# Altium PCB Cortes.PcbDoc (part 2 of 4)
Units mil, origin at the board's own origin, x right, y up, seen from the top; angles counter-clockwise.
Board outline 3686.1 x 4034 mil, 6 copper layers (Top Layer, GND, SL1, SL2, PWR, Bottom Layer), stack 33.672 mil thick; 267 components, 325 nets, 1122 pads, 1062 vias.
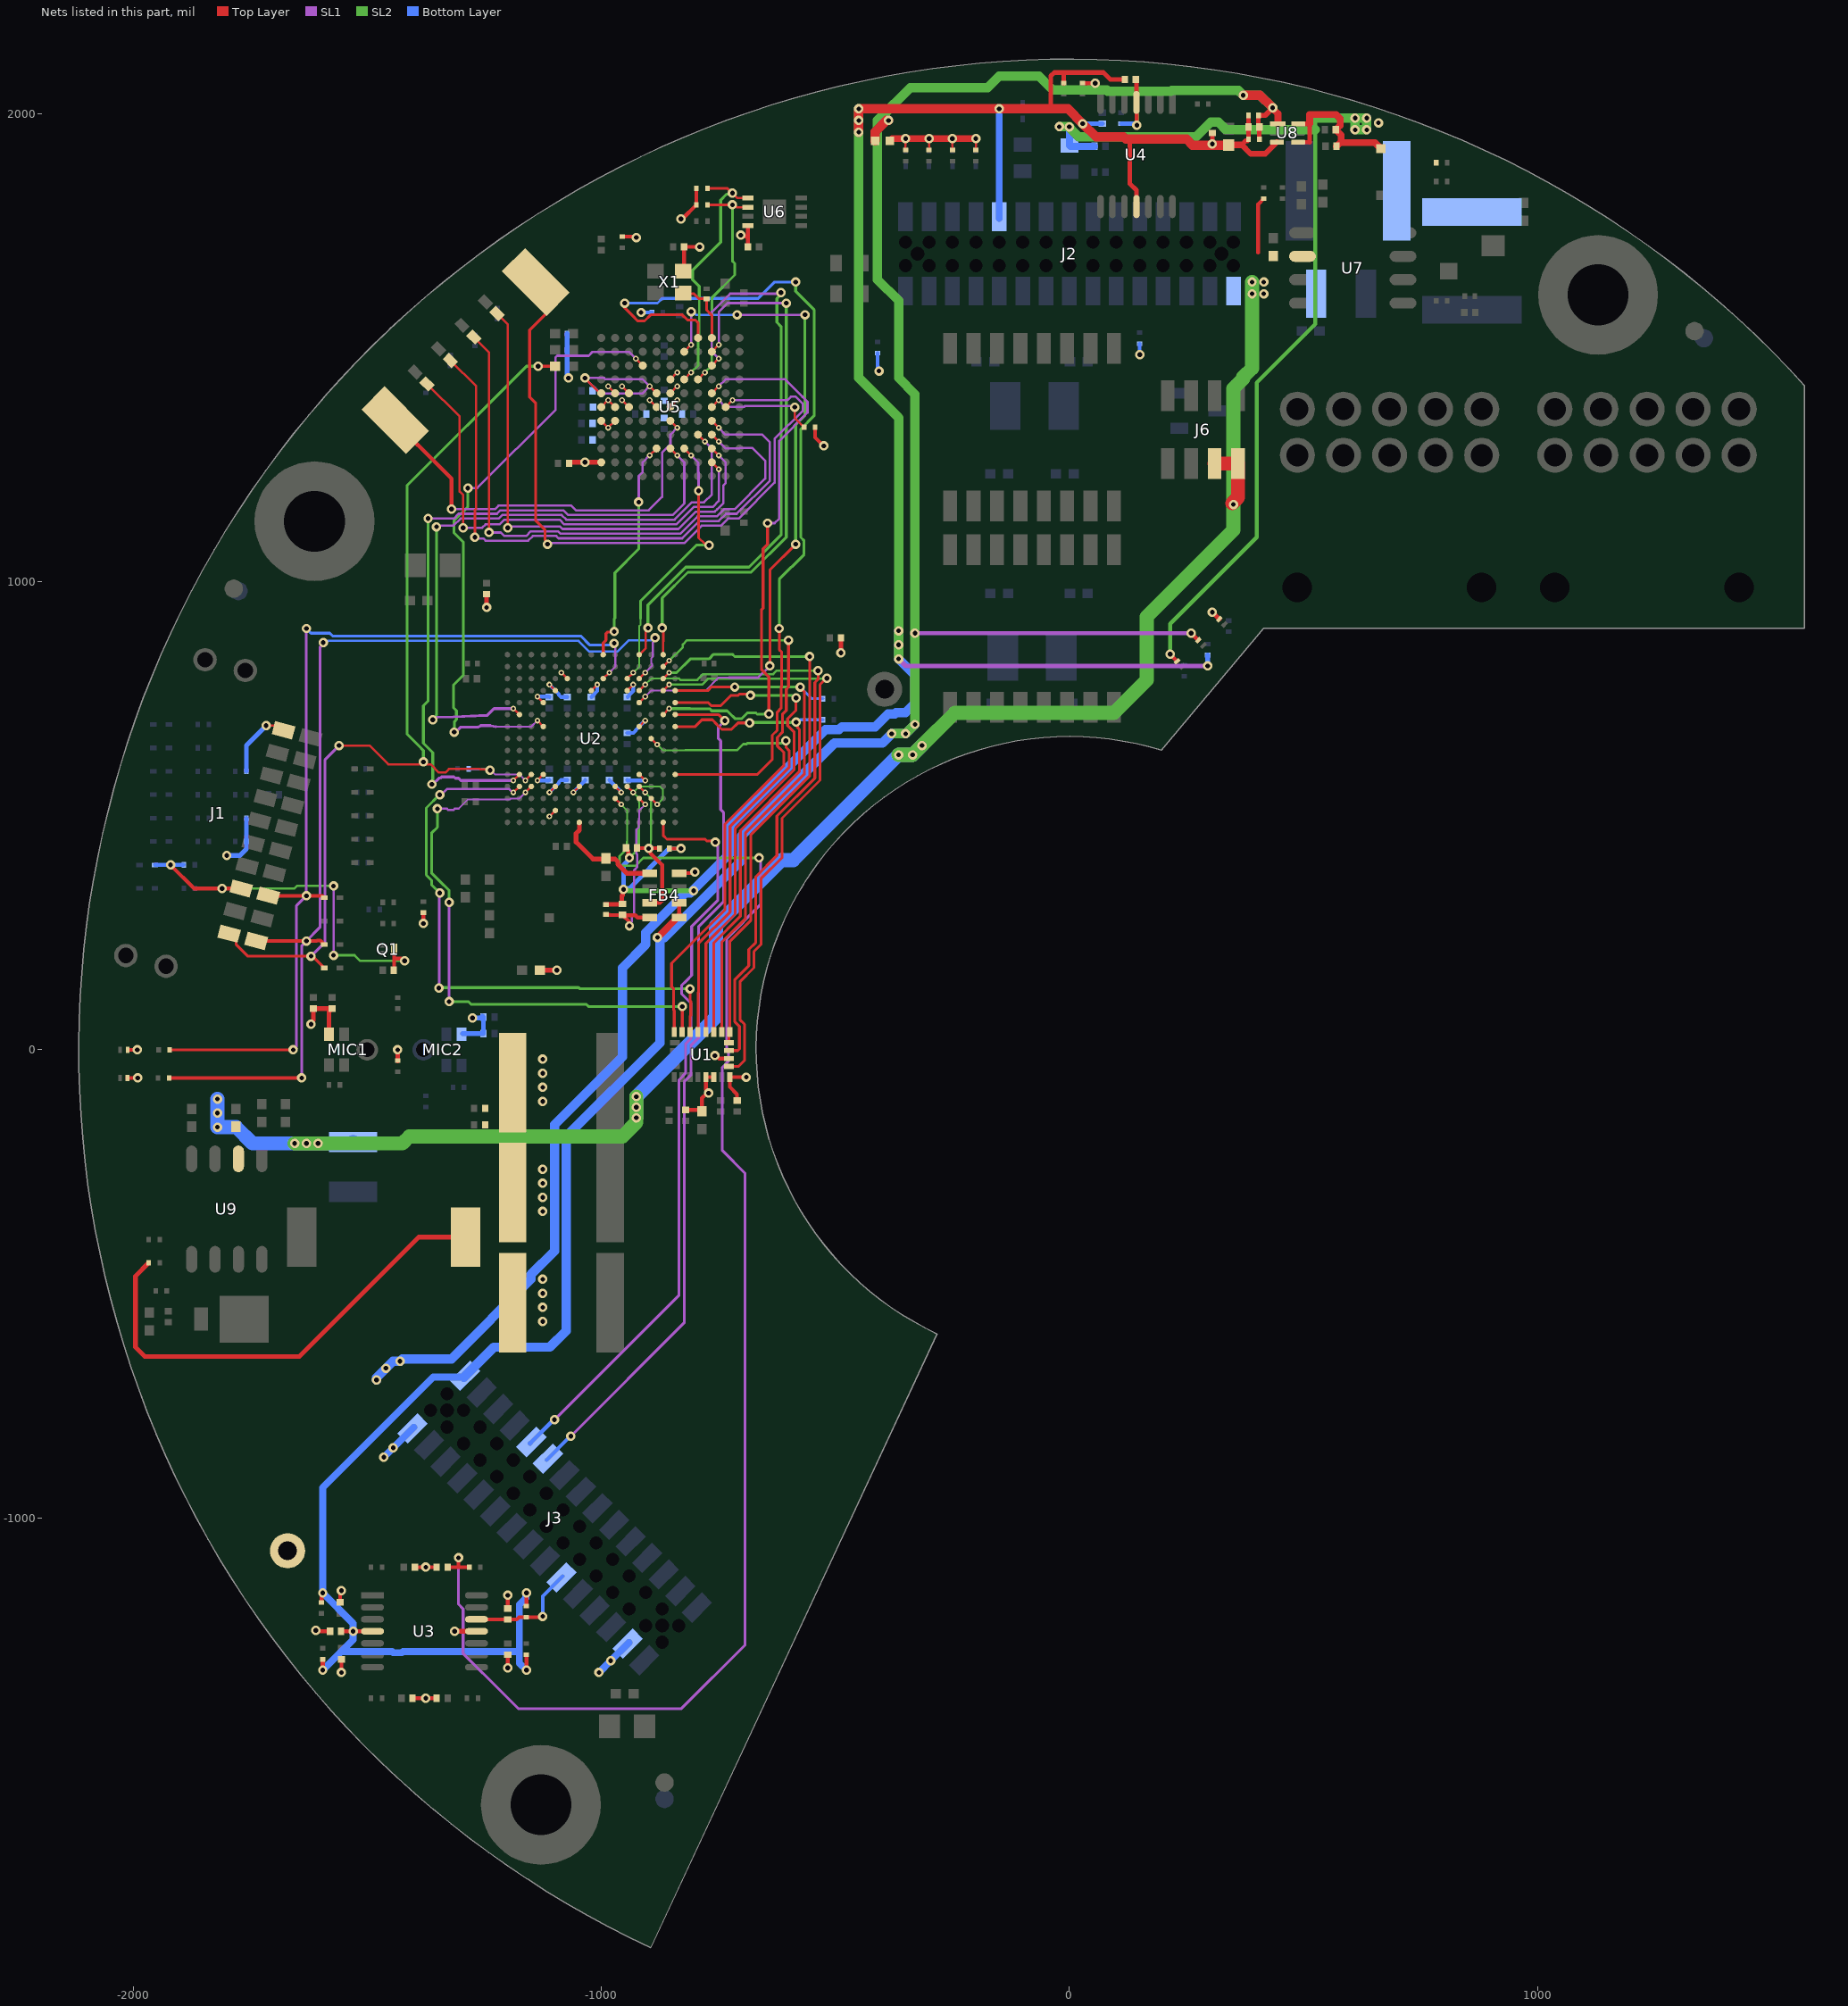
[diagram p6: the nets of this part, all layers, seen from the top]

## Part data (continued)
C46 C47 C55 C56 C57: library part 163, "CAP, CER, X7R, 47uF, 16V, 20%, AUTO GRADE, 2220, 2.5mm T", Dielectric=X7R, Package=2220, Tolerance=20%, Voltage=16V, COMMON=150-00499-00, ComponentLink1Description=Datasheet, Height="2.5mm T", ID=163, MFG=TDK, MFG P/N=CGA9N3X7R1C476M230KB, Status=Released, XPN=150-00499-00
C50 C79 C82: library part 240, "CAP, CER, X5R, 1uF, 6.3V, 20%, 0201, 0.33mm T", Dielectric=X5R, Package=0201, Tolerance=20%, Voltage=6.3V, COMMON=150-00980-00, ComponentLink1Description=Datasheet, EES=150-04572-00, EPIC=G150-00980-00, Gecko=150-00980-00, Height=0.35mm, ID=240, LOON=150-00980-00, MFG=SAMSUNG, MFG P/N=CL03A105MQ3CSNC, Status=Released, XPN=150-00980-00
C52 C98: library part 838, "CAP, CER, X7R, 0.015uF, 25V, 10%, 0402, 0.56mm T", Dielectric=X7R, Package=0402, Tolerance=10%, Voltage=25V, COMMON=150-00741-00, ComponentLink1Description=Datasheet, Height="0.56mm T", ID=838, MFG=MURATA, MFG P/N=GRM155R71E153KA61D, Status=NRND, XPN=150-00741-00
C64 C65: library part 6, "CAP, CER, X7S, 1000PF, 2KV, 10%, 1210", Dielectric=X7S, Package=1210, Supplier Part Number 1=445-13038-1-ND, Tolerance=10%, Voltage=2KV, COMMON=150-01098-00, ComponentLink1Description=Datasheet, Height=2.20mm, ID=6, MFG=TDK, MFG P/N=CGA6M1X7S3D102K200AA, PROXY=150-04677-00, Status=Released, Supplier 1=Digi-Key, XPN=XS-10001044
C81: library part 50, "CAP, CER, X5R, 4.7uF, 20%, 6.3V, 0402, 0.65mm", Dielectric=X5R, Package=0402, Tolerance=20%, Voltage=6.3V, COMMON=150-00023-00, ComponentLink1Description=Datasheet, EES=150-04574-00, Gecko=150-00023-00, Height=0.65mm, ID=50, LOON=150-00023-00, MFG=TDK, MFG P/N=C1005X5R0J475M050BC, PROXY="Use ID #1662", Status=Released, XPN=150-00023-00
C88 C90: library part 110, "CAP, CER, X5R, 2.2uF, 6.3V, 20%, 0201, 0.39mm T", Dielectric=X5R, Package=0201, Tolerance=20%, Voltage=6.3V, COMMON=150-00421-00, ComponentLink1Description=Datasheet, EES=150-04575-00, EPIC=G150-00421-00, Gecko=150-00421-00, Height="0.39mm T", ID=110, LOON=150-00421-00, MFG=SAMSUNG, MFG P/N=CL03A225MQ3CRNC, Status=Released, XPN=150-00421-00
C95: library part 589, "CAP, CER, NP0, 3.3pF, 50V, +/-0.25pF, 0201, 0.33mm T", Dielectric=NP0, Package=0201, Tolerance=0.25pF, Voltage=50V, COMMON=150-00958-00, ComponentLink1Description=Datasheet, Height="0.33mm T", ID=589, MFG=MURATA, MFG P/N=GRM0335C1H3R3CA01D, Status=Released, XPN=150-00958-00
C96: library part 343, "CAP, CER, X5R, 3300pF, 10V, 10%, 0201, 0.33mm T", Dielectric=X5R, Package=0201, Tolerance=10%, Voltage=10V, COMMON=150-00555-00, ComponentLink1Description=Datasheet, Height="0.33mm T", ID=343, MFG=AVX, MFG P/N=0201ZD332KAT2A, Status=Released, XPN=150-00555-00
C99: library part 49, "CAP, CER, NP0, 10pf, 50V, 5%, 0201, 0.33mm T", Dielectric=NP0, Package=0201, Tolerance=5%, Voltage=50V, COMMON=150-00985-00, ComponentLink1Description=Datasheet, Height="0.33mm T", ID=49, MFG=MURATA, MFG P/N=GRM0335C1H100JA01J, Status=Released, XPN=150-00985-00
C100: library part 377, "CAP, CER, X7R, 3900pF, 50V, 10%, 0402, 0.56mm T", Dielectric=X7R, Package=0402, Tolerance=10%, Voltage=50V, COMMON=150-00747-00, ComponentLink1Description=Datasheet, Height="0.56mm T", ID=377, MFG=MURATA, MFG P/N=GRM155R71H392KA01D, Status=NRND, XPN=150-00747-00
D1 D2 D3 D4 D5 D6 D7 D8 D9 D10 D11 D12 D13 D14 D15 D16 D17 D18 D19 D20 D21 D22: library part 192, "TVS, DIODE, UNIDIR, 3.3VRWM, 4.8VBR, 7.8VCL, SOD-923", Operating Temperature – Junction="-55°C ~ 125°C (TJ)", Package=SOD-923, Supplier Part Number 1=ESD9R3.3ST5GOSCT-ND, Voltage - Clamping (Max) @ Ipp=7.8V, Category=Diode, ComponentLink1Description=Datasheet, ComponentLink1URL=http://www.onsemi.com/pub/Collateral/ESD9R3.3S-D.PDF, Diode Type=Zener, Height=0.4mm, HelpURL=https://www.digikey.in/product-detail/en/on-semiconductor/ESD9R3.3ST5G/ESD9R3.3ST5GOSCT-ND/2704997, ID=192, LOON=430-00045-00, MFG="ON Semiconductor", MFG P/N=ESD9R3.3ST5G, Mounting Type=SMD, PROXY=480-01364-00, RoHS Compliant=Yes, Status=Released, Supplier 1=Digi-Key
D23: library part 176, "DIODE, TVS, UNIDIR, DUAL, 24VRWM, 26VBR, 41VCL, SOT-23-3", Operating Temperature – Junction="-55°C ~ 150°C (TJ)", Package="TO-236-3, SC-59, SOT-23-3", Supplier Part Number 1=ESD24VS2UE6327HTSA1CT-ND, Voltage - Clamping (Max) @ Ipp=41V, Category=Diode, ComponentLink1Description=Datasheet, ComponentLink1URL=https://www.infineon.com/dgdl/Infineon-ESD24VS2U-DS-v01_01-en.pdf?fileId=db3a3043340fff53013413a2249d2ff3, Diode Type=TVS, Gecko=480-01676-00, HelpURL=https://www.digikey.in/product-detail/en/infineon-technologies/ESD24VS2UE6327HTSA1/ESD24VS2UE6327HTSA1CT-ND/1785650, ID=176, LOON=480-01202-00, MFG="Infineon Technologies", MFG P/N=ESD24VS2UE6327HTSA1, Mounting Type=SMD, RoHS Compliant=Yes, Status=Released, Supplier 1=Digi-Key, Voltage - DC Reverse (VR) (MAX)=24V
D24: library part 290, "DIODE, SCHOTTKY, 30V VRRM, 1A IO, 12A SURGE, SOD-123", Current - Average Rectified (IO)=1A, Current - Reverse Leakage @ VR="1mA @ 30V", Operating Temperature – Junction="-55°C ~ 125°C", Package=SOD-123, Supplier Part Number 1=B130LAW-FDICT-ND, Voltage - DC Reverse (VR) (MAX)=30V, Voltage – Forward (VF) (MAX) @ IF="420mV @ 1A", Category=Diode, ComponentLink1Description=Datasheet, ComponentLink1URL=https://www.diodes.com/assets/Datasheets/ds30308.pdf, Diode Type=Schottky, Gecko=480-01710-00, Height=1.35mm, HelpURL=https://www.digikey.com/product-detail/en/diodes-incorporated/B130LAW-7-F/B130LAW-FDICT-ND/725052, ID=290, MFG="Diodes Incorporated", MFG P/N=B130LAW-7-F, Mounting Type=SMD, RoHS Compliant=Yes, Status=Released, Supplier 1=Digi-Key
D25: library part 35, "DIODE, SCHOTTKY, 60V, 3A, DO220AA", Current - Average Rectified (IO)=3A, Current - Reverse Leakage @ VR="100µA @ 60V", Operating Temperature – Junction="-55°C ~ 150°C", Package=DO220AA, Supplier Part Number 1=SS3P6-M3/84AGICT-ND, Voltage - DC Reverse (VR) (MAX)=60V, Voltage – Forward (VF) (MAX) @ IF="780mV @ 3A", Category=Diode, COMMON=480-00844-00, ComponentLink1Description=Datasheet, ComponentLink1URL=http://www.vishay.com/docs/88997/ss3p5.pdf, Diode Type=SCHOTTKY, HelpURL=http://www.vishay.com/docs/88997/ss3p5.pdf, ID=35, MFG=VISHAY, MFG P/N=SS3P6-M3/84A, Mounting Type=SM, Status=Released, Supplier 1=Digi-Key, XPN=XS-10020789
FB1: library part 867, "FERRITE, BEAD, 600OHMS @100MHZ, 25%, 250mA, 900 mOHM DCR, 0201", Package="0201 (0603 Metric)", Supplier Part Number 1=490-5624-1-ND, Catagory="Ferrite Bead", ComponentLink1Description=Datasheet, ComponentLink1URL=https://www.murata.com/en-us/products/productdata/8796741140510/ENFA0020.pdf, EES=185-00325-00, Height=0.33mm, HelpURL=https://www.digikey.in/product-detail/en/murata-electronics-north-america/BLM03AX601SN1D/490-5624-1-ND/2485963, ID=867, Idc max=.25, MFG="Murata Electronics North America", MFG P/N=BLM03AX601SN1D, Rdc max=0.85, Status=Released, Supplier 1=Digi-Key
FB2 FB3: library part LAIRD_MI0603L221R-10, "LAIRD - MI0603L221R-10 - Ferrite Bead, 0603 [1608 Metric], 220 ohm, 2 A, MI Series, 0.05 ohm", Case Code (Imperial)=0603, Case Code (Metric)=1608, Current Rating=2A, DC Resistance (DCR)=50mR, Manufacturer="Laird Technologies", Manufacturer Part Number=MI0603L221R-10, Max Operating Temperature=125°C, Min Operating Temperature=-40°C, OPERATING TEMPERATURE="-40 °C ~ 125 °C", Package="Inductor, 0603", Package Quantity=1, Supplier Part Number 1=875-MI0603L221R-10, Test Frequency=100MHz, Case/Package=0603, Category="Ferrite Beads", ComponentLink1Description=Datasheet, ComponentLink1URL=https://media.digikey.com/pdf/Data%20Sheets/Laird%20Technologies/EMI_Filtering_and_RF_Inductors.pdf, ComponentLink2Description=https://datasheet.ciiva.com/1013/mi0603l221r-10-1013287.pdf?src-supplier=Digi-Key, ComponentLink2URL=https://datasheet.ciiva.com/1013/mi0603l221r-10-1013287.pdf?src-supplier=Digi-Key, ComponentLink3Description=https://datasheet.ciiva.com/3082/mi0603l221r-10-c-vp-3082211.pdf?src-supplier=Avnet, ComponentLink3URL=https://datasheet.ciiva.com/3082/mi0603l221r-10-c-vp-3082211.pdf?src-supplier=Avnet, ComponentLink4Description=https://datasheet.ciiva.com/22650/1685986-22650407.pdf?src-supplier=Element14, ComponentLink4URL=https://datasheet.ciiva.com/22650/1685986-22650407.pdf?src-supplier=Element14, Core Material=Ferrite, Depth=0.8mm, Grade=Commercial, Height=0.8mm, Impedance=220R, Lead Free="Lead Free", Length=1.6mm, Material=Ferrite, Max Current Rating=2A, Max DC Current=2A, Mount="Surface Mount", Number of Lines=1, Packaging="Tape and Reel", Pricing 1="1=0.10000, 10=0.07000, 50=0.06400, 100=0.06400, 250=0.06000, 500=0.05600, 1000=0.05000, 4000=0.04800, 10000=0.04800 (USD)", REACH SVHC=Unknown, RoHS=Yes, Series=MI, Shielding=Unshielded, Status=Preliminary, Stock 1=2603, Storage Temperature="-40 °C ~ 125 °C", Supplier 1=Mouser, Termination=SMD/SMT, Weight=0.000192oz, Width=0.031inch
FB4: library part 937, "FERRITE, BEAD, 220 OHM, 150mA, DCR 0.25 MAX, 1206", Package=1206-Array, Supplier Part Number 1=490-9700-1-ND, Catagory="FB- 8-Pin Array", ComponentLink1Description=Datasheet, ComponentLink1URL=https://www.murata.com/en-us/products/productdata/8796743204894/ENFA0008.pdf, EES=185-00324-00, Height=1mm, HelpURL=https://www.digikey.com/product-detail/en/murata-electronics/BLA31AG221SN4D/490-9700-1-ND/4934839, ID=937, Idc max=150mA, MFG="Murata Electronics", MFG P/N=BLA31AG221SN4D, Rdc max=250mOhm, Status=Released, Supplier 1=Digi-Key
FID1 FID2 FID3 FID4 FID5 FID6: library part 93, "FIDUCIAL 1MM COPPER CIRCLE 3MM MASK PULLBACK", ID=93, MFG="_PCB Feature", Status="In Development"
J1: library part 1204, "CONN, HDR, SHRD, RA, 2x10, 1.27MM P, 6.02MM h, GOLD, TH", Current Rating=2.9A, OPERATING TEMPERATURE="-55°C ~ 125°C", Supplier Part Number 1=SAM14687TR-ND, Voltage, Rated=275VAC, ComponentLink1Description=Datasheet, ComponentLink1URL=http://suddendocs.samtec.com/prints/tfm-1xx-xx-x-dh-xx-mkt.pdf, Connector Type=Header, EES=210-04980-00, Gender=Header, Height=6.02mm, HelpURL=https://www.digikey.com/en/products/detail/samtec-inc/TFM-110-02-L-DH-TR/6694026, ID=1204, MFG="Samtec Inc", MFG P/N=TFM-110-02-L-DH-TR, Mounting Type="Surface Mount", Number of Positions=20, Number of Rows=2, Orientation="Right Angle", Pitch=1.27mm, RoHS Compliant=Yes, Row Spacing=1.27mm, Status=Released, Sub Assy Qty 2=0, Sub Assy Qty 3=0, Sub Assy Qty 4=0, Supplier 1=Digi-Key
J2 J3: library part 1205, "CONN, RCPT, FEMALE, 30 P, 1.27MM, 2.45MM H, GOLD, SMD", Current Rating=1A, OPERATING TEMPERATURE="-40°C ~ 105°C", Supplier Part Number 1=952-1707-ND, ComponentLink1Description=Datasheet, ComponentLink1URL=https://cdn.harwin.com/pdfs/M50-315.pdf, Connector Type="Receptacle, Bottom or Top Entry", EES=210-04983-00, Features="Board Guide", Gender=Female, Height=2.5mm, HelpURL=https://www.digikey.com/en/products/detail/harwin-inc/M50-3151542/2762128, ID=1205, MFG="Harwin Inc.", MFG P/N=M50-3151542, Mounting Type="Surface Mount", Number of Positions=30, Number of Rows=2, Orientation=Vertical, Pitch=1.27mm, RoHS Compliant=Yes, Row Spacing=1.27mm, Status=Released, Sub Assy Qty 2=0, Sub Assy Qty 3=0, Sub Assy Qty 4=0, Supplier 1=Digi-Key
J4 J5: "Conn HDR 10 POS 2.5mm Solder RA Thru-Hole 10 Terminal 1 Port", Insulation Color=Black, Manufacturer=Molex, Manufacturer Part Number=105314-1210, Max Operating Temperature=105°C, Min Operating Temperature=-40°C, Supplier Part Number 1=WM15162-ND, Category="Headers and Wire Housings", ComponentLink1Description=https://www.molex.com/pdm_docs/ps/PS-105300-100-001.pdf?src-supplier=Digi-Key, ComponentLink1URL=https://www.molex.com/pdm_docs/ps/PS-105300-100-001.pdf?src-supplier=Digi-Key, Connector Type="Header,Male Pin", Contact Material=Brass, Contact Plating=Gold, Contact Shape=Square, Fastening Type=Latch, Insulation Material=Polymer, Mount="Through Hole", Number of Positions=10, Number of Rows=2, Packaging=Tray, Pricing 1="1=2.84000, 10=2.49900, 120=1.98792, 960=1.64713, 4920=1.47673 (USD)", RoHS=Yes, RoHS Compliant=Yes, Stock 1=2469, Supplier 1=Digi-Key, Termination=Solder
J6: "CONN RCPT .05\" 8POS DUAL SMD", Color=Black, Contact Resistance=15mR, Manufacturer=Samtec, Manufacturer Part Number=FLE-104-01-G-DV, Max Current Rating=1.75A, Max Operating Temperature=125°C, Min Operating Temperature=-55°C, Supplier Part Number 1=SAM1226-04-ND, Category="Headers and Wire Housings", ComponentLink1Description=https://datasheet.ciiva.com/747/fle-1xx-xx-xx-dv-x-mkt1-747009.pdf?src-supplier=Digi-Key, ComponentLink1URL=https://datasheet.ciiva.com/747/fle-1xx-xx-xx-dv-x-mkt1-747009.pdf?src-supplier=Digi-Key, Connector Type=Receptacle, Contact Material=Bronze, Contact Plating=Gold, Contact Type="Female Socket", Depth=3.33mm, Gender=Receptacle, Housing Color=Black, Housing Material=Polymer, Lead Free="Lead Free", Length=5.19mm, Mount="Surface Mount", Number of Contacts=8, Number of Positions=8, Number of Rows=2, Orientation=Straight, Packaging=Bulk, Pitch=1.27mm, Pricing 1="1=1.50000, 10=1.35800, 25=1.27480, 50=1.21940, 100=1.16390, 250=1.05304, 500=0.96992 (USD)", Radiation Hardening=No, REACH SVHC="No SVHC", RoHS=Yes, Row Spacing=0.05inch, Series=FLE, Stock 1=413, Supplier 1=Digi-Key, Termination=Solder, Width=3.33mm
L1: library part 939, "IND, WIREWOUND, SHIELDED, 2.2uH, 2.1A, 20%, DCR 0.11, SMD, AUTOGRADE", Package="2 - pin SMD", Supplier Part Number 1=2457-LPS3015-222MR_TR-ND, Tolerance=20%, Catagory="Fixed Inductors", ComponentLink1Description=Datasheet, ComponentLink1URL=https://www.coilcraft.com/getmedia/5d262731-85ef-4348-8ab4-1044b4fc3cb8/lps3015.pdf, EES=180-02234-00, Height=1.5mm, HelpURL=https://www.digikey.com/products/en?keywords=LPS3015-222MR_, ID=939, Idc max="2.1 A", MFG=COILCRAFT, MFG P/N=LPS3015-222MR_, Rdc max=110mOhms, Status=Released, Supplier 1=Digi-Key
L2: "COILCRAFT   LPS3015-473MRB   INDUCTOR, SHLD, 47UH, 20%, 0.3A, SMD", DC Resistance (DCR)=1.55R, Inductance=47uH, Inductance Tolerance=20%, Manufacturer=Coilcraft, Manufacturer Part Number=LPS3015-473MRB, RMS Current (Irms)=300mA, Saturation Current=380mA, Supplier Part Number 1=994-LPS3015-473MRB, Category=Inductors, ComponentLink1Description=http://www.farnell.com/datasheets/1805321.pdf?src-supplier=Farnell, ComponentLink1URL=http://www.farnell.com/datasheets/1805321.pdf?src-supplier=Farnell, ComponentLink2Description=http://www.farnell.com/datasheets/1805321.pdf?src-supplier=Element14, ComponentLink2URL=http://www.farnell.com/datasheets/1805321.pdf?src-supplier=Element14, Mount="Surface Mount", Packaging="Cut Tape", REACH SVHC="No SVHC", RoHS=Yes, RoHS Compliant=Yes, Supplier 1=Mouser
L3: "FIXED IND 18UH 3.1A 51 MOHM SMD", DC Resistance (DCR)=51mR, Inductance=18uH, Inductance Tolerance=30%, Manufacturer=Bourns, Manufacturer Part Number=SRR1050A-180Y, RMS Current (Irms)=3.1A, Saturation Current=3.2A, Supplier Part Number 1=SRR1050A-180YCT-ND, Category="Fixed Inductors", ComponentLink1Description=https://www.bourns.com/docs/Product-Datasheets/SRR1050A.pdf?src-supplier=Digi-Key, ComponentLink1URL=https://www.bourns.com/docs/Product-Datasheets/SRR1050A.pdf?src-supplier=Digi-Key, ComponentLink2Description=http://www.farnell.com/datasheets/2113225.pdf?src-supplier=Element14, ComponentLink2URL=http://www.farnell.com/datasheets/2113225.pdf?src-supplier=Element14, Mount="Surface Mount", Packaging="Cut Tape", Pricing 1="1=1.31000, 10=1.21900, 25=1.12520, 50=0.93780, 100=0.88150, 250=0.78772 (USD)", REACH SVHC="No SVHC", RoHS=Yes, RoHS Compliant=Yes, Stock 1=545, Supplier 1=Digi-Key
LED1 LED7: library part 307, "LED, YELLOW, 591NM, 10mA, CLEAR, 0201", Color / Wavelength=591nm, Package=0201, Supplier Part Number 1=754-2025-1-ND, Voltage – Forward (VF) (MAX) @ IF=2.01V, Category=LED, ComponentLink1Description=Datasheet, ComponentLink1URL=http://www.kingbrightusa.com/images/catalog/SPEC/APG0603SYC-TT.pdf, Diode Type=LED, EES=370-00612-00, Height=0.25mm, HelpURL=https://www.digikey.com/product-detail/en/kingbright/APG0603SYC-TT/754-2025-1-ND/6072772, ID=307, MFG=Kingbright, MFG P/N=APG0603SYC-TT, Mounting Type=SMD, RoHS Compliant=Yes, Status=Released, Supplier 1=Digi-Key
LED2 LED8 LED9: library part 308, "LED, ORANGE, 611NM, 10mA, CLEAR, 0201", Color / Wavelength=611nm, Package=0201, Supplier Part Number 1=754-2027-1-ND, Voltage – Forward (VF) (MAX) @ IF=2.01V, Category=LED, ComponentLink1Description=Datasheet, ComponentLink1URL=http://www.kingbrightusa.com/images/catalog/SPEC/APG0603SEC-TT.pdf, Diode Type=LED, EES=370-00613-00, Height=0.25mm, HelpURL=https://www.digikey.com/product-detail/en/kingbright/APG0603SEC-TT/754-2027-1-ND/6072774, ID=308, MFG=Kingbright, MFG P/N=APG0603SEC-TT, Mounting Type=SMD, RoHS Compliant=Yes, Status=Released, Supplier 1=Digi-Key
LED3 LED4 LED5: library part 306, "LED, GREEN, 574nm, 2mA, CLEAR, 0402", Color / Wavelength=574nm, Package=0402, Supplier Part Number 1=754-2121-1-ND, Voltage – Forward (VF) (MAX) @ IF=1.9V, Category=LED, ComponentLink1Description=Datasheet, ComponentLink1URL=http://www.kingbrightusa.com/images/catalog/SPEC/APHHS1005LCGCK.pdf, Diode Type=LED, EES=370-00611-00, Height=0.6mm, HelpURL=https://www.digikey.com/product-detail/en/kingbright/APHHS1005LCGCK/754-2121-1-ND/7319049, ID=306, MFG=Kingbright, MFG P/N=APHHS1005LCGCK, Mounting Type=SMD, RoHS Compliant=Yes, Status=Released, Supplier 1=Digi-Key
LED6: library part 309, "LED, RED, 640NM, 2mA, CLEAR, 0402", Color / Wavelength=640nm, Package=0402, Supplier Part Number 1=754-2123-1-ND, Voltage – Forward (VF) (MAX) @ IF=1.8V, Category=LED, ComponentLink1Description=Datasheet, ComponentLink1URL=http://www.kingbrightusa.com/images/catalog/SPEC/APHHS1005LSECK-J3-PF.pdf, Diode Type=LED, EES=370-00614-00, Height=0.6mm, HelpURL=https://www.digikey.com/product-detail/en/kingbright/APHHS1005LSECK-J3-PF/754-2123-1-ND/7319051, ID=309, MFG=Kingbright, MFG P/N=APHHS1005LSECK/J3-PF, Mounting Type=SMD, RoHS Compliant=Yes, Status=Released, Supplier 1=Digi-Key
M1 M2 M3: library part MtgHole
MIC1 MIC2: library part CMP-95043-000005-1, "MORELLO MIC MULTIMODE DGT BOT PT", Operating Supply Current=700uA, Direction=Omnidirectional, Height=1.08mm, Length=3.5mm, OUTPUT TYPE=Digital, Packaging="Cut Tape", RoHS Compliant=Yes, Series="SiSonic™ SPH", Shape=Rectangular, Termination=Solder, Width=2.65mm
NT1: library part 158, "Net Ties, 0402", Category="Net Tie", ID=158, MFG="_PCB Feature", Status=Released
Q1: library part 24, "MOSFET, N-CH, 30V, 0.55A, DMN3900", Current - Continuios Drain (ID) @ 25° C=550mA, Input Capacitance (CISS) @ VDS="42.2pF @ 25V", Package=3-XFDFN, Power - Max=390mW, Supplier Part Number 1=DMN3900UFA-7BCT-ND, Voltage - Drain To Source (VDSS)=30V, Category="Discrete Semiconductor Products", COMMON=480-00750-00, ComponentLink1Description=Datasheet, ComponentLink1URL=http://www.diodes.com/datasheets/DMN3900UFA.pdf, EES=480-01751-00, FET Feature="Logic Level Gate", FET Type="MOSFET N-Channel, Metal Oxide", Gate Charge (QG) @ VGS="0.7nC @ 4.5V", Gecko=480-00750-00, HelpURL=http://www.diodes.com/datasheets/DMN3900UFA.pdf, ID=24, LOON=480-00750-00, MFG="Diodes Incorporated", MFG P/N=DMN3900UFA-7B, Mounting Type=SM, RDS On (Max) @ ID, VGS="760 mOhm @ 200mA, 4.5V", RoHS Compliant=Yes, Status=Released, Supplier 1=Digi-Key, VGS(TH) (Max) @ ID="950mV @ 250µA", XPN=XS-10020699
R1 R81 R82: library part 5492, "Resistor, 432K Ohms, 0805, 0.125W, ±1%", Package=0805, Power=1/8W, Supplier Part Number 1=311-432KCRCT-ND, Tolerance=1%, COMMON=470-08723-00, EES=470-17987-00, Gecko=470-08723-00, Height=0.60mm, ID=5492, LOON=470-08723-00, MFG=YAGEO, MFG P/N=RC0805FR-07432KL, Status=Released, Supplier 1=Digi-Key, XPN=XS-10019230
R2 R3 R4 R8 R9 R10 R11 R12 R13 R28 R30 R35 R36 R37 R38 R39 R40 R41 R42 R43 R44 R46 R56 R60 R65 R66 R67 R68 R69 R70 R75 R76: library part 6783, "RES, 10K, 1%, 1/20W, 0201, AUTOGRADE", Package=0201, Power=1/20W, Supplier Part Number 1=P122414CT-ND, Tolerance=1%, COMMON=470-00033-00, ComponentLink1Description=Datasheet, ComponentLink1URL=https://industrial.panasonic.com/cdbs/www-data/pdf/RDA0000/AOA0000C304.pdf, EES=470-18014-00, Gecko=470-00033-00, Height=0.26mm, HelpURL=https://www.digikey.in/product-detail/en/panasonic-electronic-components/ERJ-1GNF1002C/P122414CT-ND/7389440, ID=6783, LOON=470-00033-00, MFG=PANASONIC, MFG P/N=ERJ1GNF1002C, PROXY="Use ID #4151", Status=Released, Supplier 1=Digi-Key, XPN=470-00033-00
R5 R6 R7: library part 10006, "RES, 49.9, 1%, 1/20W, 0201, AUTOGRADE", Package=0201, Power="0.05W, 1/20W", Supplier Part Number 1=P123049CT-ND, Tolerance=1%, Catagory="Chip Resistor - Surface Mount", ComponentLink1Description=Datasheet, ComponentLink1URL=https://industrial.panasonic.com/cdbs/www-data/pdf/RDA0000/AOA0000C304.pdf, EES=470-18006-00, Height=0.26mm, HelpURL=https://www.digikey.in/product-detail/en/panasonic-electronic-components/ERJ-1GNF49R9C/P123049CT-ND/8343037, ID=10006, MFG="Panasonic Electronic Components", MFG P/N=ERJ-1GNF49R9C, Status=Released, Supplier 1=Digi-Key
R14 R15 R16 R17 R18 R19 R20 R21 R22 R23 R24 R25 R26 R29: library part 10012, "RES, 22.1, 1%, 1/20W, 0201, AUTOGRADE", Package=0201, Power="0.05W, 1/20W", Supplier Part Number 1=P122844CT-ND, Tolerance=1%, Catagory="Chip Resistor - Surface Mount", ComponentLink1Description=Datasheet, ComponentLink1URL=https://industrial.panasonic.com/cdbs/www-data/pdf/RDA0000/AOA0000C304.pdf, EES=470-18023-00, Height=0.26mm, HelpURL=https://www.digikey.in/product-detail/en/panasonic-electronic-components/ERJ-1GNF22R1C/P122844CT-ND/8342627, ID=10012, MFG="Panasonic Electronic Components", MFG P/N=ERJ-1GNF22R1C, Status=Released, Supplier 1=Digi-Key
R27: library part 10014, "RES, 68, 1%, 1/20W, 0201, AUTOGRADE", Package=0201, Power="0.05W, 1/20W", Supplier Part Number 1=P123132CT-ND, Tolerance=1%, Catagory="Chip Resistor - Surface Mount", ComponentLink1Description=Datasheet, ComponentLink1URL=https://industrial.panasonic.com/cdbs/www-data/pdf/RDA0000/AOA0000C304.pdf, EES=470-18010-00, Height=0.26mm, HelpURL=https://www.digikey.in/product-detail/en/panasonic-electronic-components/ERJ-1GNF68R0C/P123132CT-ND/8343203, ID=10014, MFG="Panasonic Electronic Components", MFG P/N=ERJ-1GNF68R0C, Status=Released, Supplier 1=Digi-Key
R31 R33 R47 R48 R49 R51 R52 R53 R54 R59 R61 R64: library part 10010, "RES, 1K, 1%, 1/20W, 0201, AUTOGRADE", Package=0201, Power="0.05W, 1/20W", Supplier Part Number 1=118-CR0201AFW-1001GLFCT-ND, Tolerance=1%, Catagory="Chip Resistor - Surface Mount", ComponentLink1Description=Datasheet, ComponentLink1URL=https://www.bourns.com/docs/product-datasheets/crxxxxa.pdf, EES=470-18022-00, Height=0.26mm, HelpURL=https://www.digikey.in/product-detail/en/bourns-inc/CR0201AFW-1001GLF/118-CR0201AFW-1001GLFCT-ND/12091423, ID=10010, MFG="Bourns Inc.", MFG P/N=CR0201AFW-1001GLF, Status=Released, Supplier 1=Digi-Key
R32 R34: library part 3, "RES, JUMPER, 0, 1/10W, 0603", Package=0603, Power=1/10W, Supplier Part Number 1=RHM0.0GCT-ND, Tolerance=JUMPER, COMMON=470-03590-00, EES=470-17795-00, Gecko=470-03590-00, Height=0.55mm, ID=3, LOON=470-03590-00, MFG=ROHM, MFG P/N=MCR03EZPJ000, PROXY="Use ID #8521", Status=NRND, Supplier 1=Digi-Key, XPN=XS-10014546
R45: library part 10025, "RES, 4.7K, 1%, 1/20W, 0201, AUTOGRADE", Package=0201, Power="0.05W, 1/20W", Supplier Part Number 1=P123031CT-ND, Tolerance=1%, Catagory="Chip Resistor - Surface Mount", ComponentLink1Description=Datasheet, ComponentLink1URL=https://industrial.panasonic.com/cdbs/www-data/pdf/RDA0000/AOA0000C304.pdf, EES=470-18032-00, Height=0.26mm, HelpURL=https://www.digikey.in/product-detail/en/panasonic-electronic-components/ERJ-1GNF4701C/P123031CT-ND/8343001, ID=10025, MFG="Panasonic Electronic Components", MFG P/N=ERJ-1GNF4701C, Status=Released, Supplier 1=Digi-Key
R50: library part 7413, "RES, 1.0, 5%, 1/20W, 0201", Package=0201, Power=1/20W, Tolerance=5%, COMMON=470-02088-00, EES=470-17951-00, Gecko=470-02088-00, ID=7413, LOON=470-02088-00, MFG=PANASONIC, MFG P/N=ERJ1GEJ1R0C, Status=NRND, XPN=470-02088-00
R55: library part 10007, "RES, 68.1K, 1%, 1/20W, 0201, AUTOGRADE", Package=0201, Power="0.05W, 1/20W", Supplier Part Number 1=P123130CT-ND, Tolerance=1%, Catagory="Chip Resistor - Surface Mount", ComponentLink1Description=Datasheet, ComponentLink1URL=https://industrial.panasonic.com/cdbs/www-data/pdf/RDA0000/AOA0000C304.pdf, EES=470-18017-00, Height=0.26mm, HelpURL=https://www.digikey.in/product-detail/en/panasonic-electronic-components/ERJ-1GNF6812C/P123130CT-ND/8343199, ID=10007, MFG="Panasonic Electronic Components", MFG P/N=ERJ-1GNF6812C, Status=Released, Supplier 1=Digi-Key
R57 R63: library part 4161, "Resistor, 10.2K Ohms, 0201, 0.05W, ±1%", Package=0201, Power=1/20W, Supplier Part Number 1=311-10.2KMCT-ND, Tolerance=1%, COMMON=470-07513-00, Height=0.26mm, ID=4161, MFG=YAGEO, MFG P/N=RC0201FR-0710K2L, Status=Released, Supplier 1=Digi-Key, XPN=XS-10018168
R58: library part 6790, "RES, 1.96K, 1%, 1/20W, 0201", Package=0201, Power=1/20W, Tolerance=1%, COMMON=470-00892-00, ID=6790, MFG=PANASONIC, MFG P/N=ERJ1GEF1961C, PROXY="Alt ID #9405", Status=NRND, XPN=XS-10012653
R62: library part 4926, "Resistor, 86.6K Ohms, 0201, 0.05W, ±1%", Package=0201, Power=1/20W, Supplier Part Number 1=P86.6KABCT-ND, Tolerance=1%, COMMON=470-01358-00, Height=0.26mm, ID=4926, MFG=PANASONIC, MFG P/N=ERJ-1GEF8662C, Status=NRND, Supplier 1=Digi-Key, XPN=470-01358-00
R71 R72 R73 R74: library part 2283, "RES, 75, 1%, 1/16W, 0402", Package=0402, Power=1/16W, Supplier Part Number 1=311-75.0LRCT-ND, Tolerance=1%, COMMON=470-00607-00, Height=0.40mm, ID=2283, KOI=470-17279-00, MFG=YAGEO, MFG P/N=RC0402FR-0775RL, PROXY=470-10028-00, Status=Released, Supplier 1=Digi-Key, XPN=470-00607-00
R77: library part 4248, "Resistor, 13.3K Ohms, 0201, 0.05W, ±1%", Package=0201, Power=1/20W, Supplier Part Number 1=P13.3KABCT-ND, Tolerance=1%, COMMON=470-07589-00, Height=0.26mm, ID=4248, MFG=PANASONIC, MFG P/N=ERJ-1GEF1332C, Status=NRND, Supplier 1=Digi-Key, XPN=XS-10018236
R78: library part 7433, "RES, 3.24K, 1%, 1/20W, 0201", Package=0201, Power=1/20W, Tolerance=1%, COMMON=470-01101-00, ID=7433, MFG=PANASONIC, MFG P/N=ERJ1GEF3241C, Status=NRND, XPN=XS-10012809
R79 R80 R85 R86 R87: library part 8004, "RES, 0, JUMPER, 1/16W, 0402", Package=0402, Power=1/16W, Tolerance=JUMPER, COMMON=470-02332-00, Gecko=470-17892-00, ID=8004, MFG=YAGEO, MFG P/N=RC0402FR-070RL, PROXY="Use ID #2", Status=Released, XPN=470-02332-00
R83 R84: library part 3569, "Resistor, 2.20K Ohms, 0201, 0.05W, ±1%", Package=0201, Power=1/20W, Supplier Part Number 1=P2.20KABCT-ND, Tolerance=1%, COMMON=470-01004-00, Height=0.26mm, ID=3569, MFG=PANASONIC, MFG P/N=ERJ-1GEF2201C, Status=NRND, Supplier 1=Digi-Key, XPN=470-01004-00
R88: library part CMP-2002-08122-2, "RES Thick Film, 0Ω, 0.063W, 0402", Case Code (Imperial)=0402, Case Code (Metric)=1005, Max Operating Temperature=155°C, Max Power Dissipation=63mW, Min Operating Temperature=-55°C, Package Quantity=1, Resistance=0mR, Temperature Coefficient=100ppm/°C, Tolerance=5%, Voltage Rating=50V, Case/Package=0402, Composition="Thick Film", Contact Plating=Tin, Depth=0.5mm, Features="Automotive AEC-Q200", Height=0.35mm, Lead Free="Lead Free", Length=1mm, Military Standard=Not, Mount="Surface Mount", Number of Terminations=2, Packaging="Tape and Reel", Power Rating=63mW, Radiation Hardening=No, Termination=SMD/SMT, Voltage Rating (DC)=50V, Weight=2.3E-05oz, Width=0.5mm
T1 T2: "Telecom Transformer 2(1:1) 0.65Ohm Prim. DCR 0.65Ohm Sec. DCR 16 Terminal Gull Wing SMD", Case/Package=Module, DC Resistance (DCR)=650mR, Isolation Voltage=1.5kV, Manufacturer=Pulse, Manufacturer Part Number=H1102NL, Max Operating Temperature=70°C, Min Operating Temperature=0°C, Package Quantity=40, Supplier Part Number 1=553-1323-5-ND, Category=Transformers, ComponentLink1Description=https://datasheet.ciiva.com/2938/10-100base-tsingleportsmdmagnetics-rev2008-2938779.pdf?src-supplier=Digi-Key, ComponentLink1URL=https://datasheet.ciiva.com/2938/10-100base-tsingleportsmdmagnetics-rev2008-2938779.pdf?src-supplier=Digi-Key, Depth=9.53mm, Height=6.09mm, Height - Seated (Max)=6.22mm, Insertion Loss=-1.1dB, Lead Free="Lead Free", Lead/Base Style="Gull Wing", Length=12.7mm, Mount="Surface Mount", Number of Pins=16, Packaging=Rail/Tube, Pricing 1="1=5.63000, 10=4.55900, 25=3.68600, 50=3.45320, 100=3.29800, 250=3.20100, 500=3.10400, 1000=3.00700 (USD)", Radiation Hardening=No, Return Loss=-11.5dB, RoHS=Yes, RoHS Compliant=Yes, Series=-, Shielding=Unshielded, Stock 1=978, Supplier 1=Digi-Key, Termination=SMD/SMT, Turns Ratio=1:1, Weight=0.098767oz, Width=9.53m
TP1 TP2: "PC TEST POINT TH RING", Color=Black, Manufacturer="Keystone Electronics", Manufacturer Part Number=5001, Part Number=250-00184-00, Supplier Part Number 1=5001K-ND, Category="Test and Measurement", ComponentLink1Description=http://www.keyelco.com/product-pdf.cfm?p=1310, ComponentLink1URL=http://www.keyelco.com/product-pdf.cfm?p=1310, Material="Base, Nylon 46, UL 94V-0", Mounting Type="0.040\" (1.02mm) Hole Diameter", Packaging=Bulk, Pricing 1="1=0.33, 10=0.309, 50=0.2252, 100=0.2164, 250=0.19432, 500=0.18548, 1000=0.15456, 2500=0.14131, 5000=0.13248 (USD)", RoHS="RoHS Compliant", Stock 1=341830, Supplier 1=Digi-Key, Terminal="0.010\" x 0.020\" (0.25mm x 0.51mm) Phosphor Bronze Wire, Silver Plate", Type="PC Test Point, Miniature"
TP3 TP4: library part 176, "HW, TEST POINT, NO SILKSCREEN, PC MINIATURE, 0.25mm T, 1.52mm HEIGHT, SILVER PLATING, SMT", Supplier Part Number 1=36-5015CT-ND, Category="Test and Measurement", COMMON=250-00207-00, ComponentLink1Description=Datasheet, ComponentLink1URL=http://keyelco.com/userAssets/file/M65p55.pdf, EES=250-08552-00, EPIC=250-08204-00, Gecko=250-00207-00, Height=1.65mm, HelpURL=https://www.digikey.com/product-detail/en/keystone-electronics/5015/36-5015CT-ND/278886, ID=176, KOI=250-07313-00, LOON=250-00207-00, MFG="Keystone Electronics Corp.", MFG P/N=5015, Mounting Type=SMD, PROXY=250-04113-00, Status="In Development", Supplier 1=Digi-Key, XPN=XS-10008125
U1: library part 172, "SENSOR, MOTION, IMU, ACCELEROMETER/GYROSCOPE/MAGNETOMETER, I2C, SPI, LGA-24", OPERATING TEMPERATURE="-40°C ~ 85°C (TA)", Package=24-LGA, Supplier Part Number 1=497-14946-1-ND, Category=Sensors, ComponentLink1Description=Datasheet, ComponentLink1URL=https://www.st.com/content/ccc/resource/technical/document/datasheet/1e/3f/2a/d6/25/eb/48/46/DM00103319.pdf/files/DM00103319.pdf/jcr:content/translations/en.DM00103319.pdf, EES=550-00589-00, Height=1.027mm, HEIGHT (MAX)=1.027mm, HelpURL=https://www.digikey.com/product-detail/en/stmicroelectronics/LSM9DS1TR/497-14946-1-ND/4988079, ID=172, MFG=STMicroelectronics, MFG P/N=LSM9DS1TR, Mounting Type="Surface Mount", OUTPUT TYPE="I²C, SPI", RoHS Compliant=Yes, SENSOR TYPE="Accelerometer, Gyroscope, Magnetometer, Temperature, 9 Axis", Status=Released, Supplier 1=Digi-Key
U2: library part 112, "IC, MCU, STM32H755xI, ARM, 32-BIT, 240MHZ, 128 I/O, 2MB, FLASH, 1.62V TO 3.6V, UFBGA-201", Package="176+25UFBGA (10x10)", Supplier Part Number 1=497-STM32H755IIK3-ND, Category="Integrated Circuits (ICs)", ComponentLink1Description=Datasheet, ComponentLink1URL=https://www.st.com/resource/en/datasheet/stm32h755ii.pdf, EES=313-05804-00, Height=0.6mm, HelpURL=https://www.digikey.com/products/en?keywords=STM32H755IIK3, ID=112, MFG=STMicroelectronics, MFG P/N=STM32H755IIK3, RoHS Compliant=Yes, Status=Released, Supplier 1=Digi-Key
U3 U4: library part MICROCHIP_MCP6064, "Microchip MCP6064-E/ST; Quad Op Amp; 0.73MHz CMOS; Rail to Rail; 3V; 5V; 14-Pin TSSOP", Case/Package=TSSOP, Input Bias Current=100pA, Input Offset Voltage (Vos)=150uV, Manufacturer=Microchip, Manufacturer Part Number=MCP6064-E/ST, Max Operating Temperature=125°C, Max Supply Voltage=6V, Min Operating Temperature=-40°C, Min Supply Voltage=1.8V, Nominal Supply Current=60uA, Output Current=27mA, Package Quantity=96, Power Supply Rejection Ratio (PSRR)=70dB, Supplier Part Number 1=MCP6064-E/ST-ND, Voltage Gain=115dB, Amplifier Type="GENERAL PURPOSE", Bandwidth=730kHz, Category="Amplifiers - Op Amps, Buffer, Instrumentation", Common Mode Rejection Ratio=72dB, ComponentLink1Description=http://www.microchip.com/mymicrochip/filehandler.aspx?ddocname=en528763, ComponentLink1URL=http://www.microchip.com/mymicrochip/filehandler.aspx?ddocname=en528763, ComponentLink2Description=https://datasheet.ciiva.com/8078/mcp6061-ds22189b-8078832.pdf?src-supplier=Element14, ComponentLink2URL=https://datasheet.ciiva.com/8078/mcp6061-ds22189b-8078832.pdf?src-supplier=Element14, ComponentLink3Description=https://datasheet.ciiva.com/1802/mcp6061-ds22189b-1802877.pdf?src-supplier=Digi-Key, ComponentLink3URL=https://datasheet.ciiva.com/1802/mcp6061-ds22189b-1802877.pdf?src-supplier=Digi-Key, ComponentLink4Description=https://datasheet.ciiva.com/11707/jp542225-11707116.pdf?src-supplier=Avnet, ComponentLink4URL=https://datasheet.ciiva.com/11707/jp542225-11707116.pdf?src-supplier=Avnet, ComponentLink5Description=https://datasheet.ciiva.com/5777/1062687-5777669.pdf?src-supplier=Farnell, ComponentLink5URL=https://datasheet.ciiva.com/5777/1062687-5777669.pdf?src-supplier=Farnell, ComponentLink6Description=https://datasheet.ciiva.com/16348/filehandler-aspxddocname-en542225-16348939.pdf?src-supplier=Future+Electronics, ComponentLink6URL=https://datasheet.ciiva.com/16348/filehandler-aspxddocname-en542225-16348939.pdf?src-supplier=Future+Electronics, Gain Bandwidth Product=730kHz, Height=1mm, Input Offset Voltage-Max=150uV, Lead Free="Lead Free", Length=5mm, Mount="Surface Mount", Number of Amplifiers=4, Number of Channels=4, Number of Circuits=4, Number of Elements=4, Number of Pins=14, Operating Supply Current=60uA, Output Current per Channel=27mA, Packaging=Rail/Tube, Pricing 1="1=1.83000, 25=1.52640, 100=1.42500 (USD)", Radiation Hardening=No, REACH SVHC="No SVHC", RoHS=Yes, RoHS Compliant=Yes, Slew Rate=0.25V/µs, Slew Rate-Nom=0.25V/µs, Stock 1=117, Supplier 1=Digi-Key, Supply Current=60uA, Technology=CMOS, Unity Gain Bandwidth Product=730kHz, Width=4.4mm
U5: library part 113, "IC, CONTROLLER, TMC8462, ETHERNET, 100Mb, SPI, PWM O/P, 100mA, BGA-121", Package="121-BGA (9x9)", Supplier Part Number 1=1460-1258-ND, Category="Integrated Circuits (ICs)", ComponentLink1Description=Datasheet, ComponentLink1URL=https://www.trinamic.com/products/integrated-circuits/details/tmc8462-ba/, EES=313-05813-00, Height=1.4mm, HelpURL=https://www.digikey.com/products/en?keywords=TMC8462-BA, ID=113, MFG="Trinamic Motion Control GmbH", MFG P/N=dr, RoHS Compliant=Yes, Status=Released, Supplier 1=Digi-Key
U6: library part 423, "IC, MEMORY, M24256, EEPROM, 256Kb, I2C, 1MHz, MLP-8, AUTOGRADE", Package=8-WFDFN, Supplier Part Number 1=497-15355-6-ND, Category="Integrated Circuits (ICs)", ComponentLink1Description=Datasheet, ComponentLink1URL=https://www.st.com/content/ccc/resource/technical/document/datasheet/a7/9b/dd/87/57/59/41/8c/DM00061669.pdf/files/DM00061669.pdf/jcr:content/translations/en.DM00061669.pdf, EES=313-05803-00, Height=0.8mm, HelpURL=https://www.digikey.com/product-detail/en/stmicroelectronics/M24256-DRMF3TG-K/497-15355-6-ND/5175353, ID=423, MFG=STMicroelectronics, MFG P/N=M24256-DRMF3TG/K, Mounting Type=SMD, RoHS Compliant=Yes, Status=Released, Supplier 1=Digi-Key
U7 U9: "Conv DC-DC Single Step Down 3.5V to 28V 8-Pin SOIC T/R", Case/Package=D, Manufacturer="Texas Instruments", Manufacturer Part Number=TPS54331GDR, Max Input Voltage=28V, Max Operating Temperature=150°C, Max Output Current=3A, Max Output Voltage=25V, Min Input Voltage=3.5V, Min Operating Temperature=-40°C, Min Output Voltage=800mV, Package Quantity=2500, Quiescent Current=110uA, Supplier Part Number 1=296-50099-1-ND, Switching Frequency=570kHz, Category="Voltage Regulators - Switching", ComponentLink1Description=https://datasheet.ciiva.com/2034/tps54331-2034843.pdf?src-supplier=Digi-Key, ComponentLink1URL=https://datasheet.ciiva.com/2034/tps54331-2034843.pdf?src-supplier=Digi-Key, ComponentLink2Description=https://datasheet.ciiva.com/14378/tps54331-14378086.pdf?src-supplier=Avnet, ComponentLink2URL=https://datasheet.ciiva.com/14378/tps54331-14378086.pdf?src-supplier=Avnet, Lead Free="Lead Free", Number of Outputs=1, Number of Pins=8, Operating Supply Voltage=28V, Output Current=3A, OUTPUT TYPE=Adjustable, Output Voltage=25V, Packaging="Tape and Reel", Pricing 1="1=1.85000, 10=1.66300, 25=1.56880, 100=1.33660, 250=1.25504, 500=1.09816, 1000=1.03600 (USD)", RoHS=Yes, RoHS Compliant=Yes, Series="SWIFT™, Eco-Mode™", Stock 1=2585, Supplier 1=Digi-Key, Synchronous Rectifier=No
U8: library part CMP-0394-01493-2, "Single Output Fast Transient Response LDO, 250 mA, Fixed 3.3 V Output, 2 to 5.5 V Input, with Ultra-Low IQ, 6-pin WSON (DSE), -40 to 125 degC, Green (RoHS & no Sb/Br)", Manufacturer="Texas Instruments", Rating=Catalog, Accuracy(%)=2, ComponentLink1Description="Manufacturer URL", ComponentLink1URL=http://www.ti.com/, ComponentLink2Description=Datasheet, ComponentLink2URL=http://www.ti.com/general/docs/lit/getliterature.tsp?genericPartNumber=TPS72733&fileType=pdf, ComponentLink3Description="Package Specification", ComponentLink3URL=http://www.ti.com/litv/pdf/mpds287, DatasheetVersion=SBVS128C, Eco-Plan="Green (RoHS & no Sb/Br)", Fixed Output Options(V)=3.3, Iout(Max)(A)=0.25, Iq(Typ)(mA)=0.008, Manufacturer Part Number=TPS72733DSET, Mounting Technology="Surface Mount", PackageDescription="6-Pin Plastic Small Outline, Body 1.5 x 1.5 mm, Pitch 0.5 mm", PackageReference=DES0006A, PackageVersion=4207810/A, PartNumber=TPS72733DSET, SubFamily="Single Channel LDO", Vdo(Typ)(mV)=130, Vin(Max)(V)=5.5, Vin(Min)(V)=2, Vout Adj(Max)(V)=3.3, Vout Adj(Min)(V)=3.3
X1: library part 137, "OSC, MEMS, XO, 100MHZ, +/-25PPM STAB, LVCMOS, 3.3V, SMD-4, AUTOGRADE", Current - Supply (Max)=4.8mA, Frequency=100MHz, Frequency Stability=±25ppm, OPERATING TEMPERATURE="-55°C ~ 125°C", Package="4-SMD, No Lead", Supplier Part Number 1=1473-SIT8924BM-72-33N-100.000000E-ND, Voltage – Supply=3.3V, Category="Crystals and Oscillators", ComponentLink1Description=Datasheet, ComponentLink1URL=https://source.z2data.com/2019/9/26/1/9/50/497/69995916/SiT8924.pdf, EES=230-00460-00, Height=0.8mm, HelpURL=https://www.digikey.com/product-detail/en/sitime/SIT8924BM-72-33N-100-000000E/1473-SIT8924BM-72-33N-100-000000E-ND/11292440, ID=137, MFG=SiTIME, MFG P/N=SIT8924BM-72-33N-100.000000E, Mounting Type=SMD, Output="LVCMOS, LVTTL", RoHS Compliant=Yes, Status=Released, Supplier 1=Digi-Key, Type="XO (Standard)"

## Via types
v1: diameter 20, hole 10, Top Layer to Bottom Layer, 497 vias
v2: diameter 20, hole 10, Top Layer to Bottom Layer, tented both sides, 332 vias
v3: diameter 12, hole 6, Top Layer to Bottom Layer, 205 vias
v4: diameter 14, hole 8, Top Layer to Bottom Layer, 21 vias
v5: diameter 16, hole 8, Top Layer to Bottom Layer, 6 vias
v6: diameter 12, hole 6, Top Layer to Bottom Layer, tented both sides, 1 vias

## Nets (pads, with @x,y where several pads share a name; then routed paths per layer and width w, separated by ;. In a path a pad name is that pad's centre, name@x,y a point inside that pad or via, vN(x,y) a via of type N, cw(c..) or ccw(c..) an arc to the next point about the centre after c; other vN are vias at no path point)
1V8_ECAT: C34.2 C35.2 C36.2 C37.2 U5.F6 U5.F7 U5.G6 U5.G7 U5.G11 | length 437.3
  Top Layer w5: v1(-1035,1435) -1002.56,1402.56 U5.G11@-1000.1,1402.56 ; v3(-896.75,1387.8) U5.F7@-881.99,1373.04 ; v3(-896.75,1417.33) U5.G7@-881.99,1402.56 ; U5.F6@-852.46,1373.04 v3(-837.7,1387.8) ; U5.G6@-852.46,1402.56 v3(-837.7,1417.33)
  SL1 w5: v1(-1035,1435) -1002.3,1402.3 -979.33,1402.3 -977.03,1400 -964.11,1400 -961.81,1402.3 -911.78,1402.3 v3(-896.75,1417.33) -911.78,1432.35 -991.34,1432.35 -993.99,1435 v1(-1035,1435)
3v3: C2.1 C3.1 C4.1 C7.1 C8.1 C9.1 C10.1 C25.1 C32.1 C38.2 C39.2 C40.2 C41.2 C42.2 C53.1 C54.1 C55.1 C56.1 C57.1 C66.1 C67.1 C68.1 C69.1 C70.1 C71.1 C72.1 C73.1 C74.1 C75.1 C76.1 C77.1 C78.1 FB4.5 J1.1 L3.2 LED1.A LED2.A LED9.A MIC1.5 MIC2.5 R4.2 R10.2 R11.2 R12.2 R13.2 R45.2 R46.2 R50.1 R52.2 R53.2 R63.2 R65.2 R66.2 R67.2 R68.2 R69.2 R70.2 R83.2 R84.2 R88.1 U1.1 U1.3 U1.22 U1.23 U2.D5 U2.D11 U2.E2 U2.E4 U2.E12 U2.F13 U2.G4 U2.H12 U2.K4 U2.L12 U2.M5 U2.M9 U5.B11 U5.E10 U5.E11 U5.F9 U5.F10 U5.F11 U5.G9 U5.G10 U5.H6 U6.8 X1.4 | length 3625.4
  Top Layer w5: v1(-1716.04,692.48) -1688.36,692.48 J1.1@-1678.6,682.73 ; v3(-1136.57,575.38) U2.D5@-1123.78,588.17 ; v3(-1136.57,754.51) U2.D11@-1123.78,741.72 ; v3(-1110.98,498.61) U2.E2@-1098.19,511.4 ; v3(-1110.98,549.79) U2.E4@-1098.19,562.58 ; v3(-1110.98,780.1) U2.E12@-1098.19,767.31 ; v3(-1085.39,805.69) U2.F13@-1072.6,792.9 ; v3(-1059.8,549.79) U2.G4@-1047.01,562.58 ; U2.H12@-1021.42,768.5 U2.H12@-1021.42,767.31 v3(-1008.62,780.1) ; U5.E11@-1000.1,1343.51 v3(-985.33,1328.74) U5.E10@-970.57,1343.51 ; U5.F11@-1000.1,1373.04 v3(-985.33,1387.8) U5.F10@-970.57,1373.04 ; v3(-985.33,1417.33) U5.G10@-970.57,1402.56 ; U2.K4@-970.24,562.58 v3(-957.44,549.79) ; v3(-955.81,1387.8) U5.F9@-941.04,1373.04 ; v3(-955.81,1417.33) U5.G9@-941.04,1402.56 ; U2.L12@-944.65,767.31 v3(-931.85,780.1) ; U2.M5@-919.05,588.17 v3(-906.26,575.38) ; U2.M9@-919.05,690.54 v3(-906.26,703.33) ; U5.H6@-852.46,1432.09 v3(-837.7,1446.85) ; R88.1@-383.55,1941.7 R88.1@-378.91,1946.34 ; R67.2@-350,1921.81 v1(-350,1946.34) ; R68.2@-300,1921.81 v1(-300,1946.34) ; R69.2@-250,1921.81 v1(-250,1946.34) ; R70.2@-200,1921.81 v1(-200,1946.34)
  Top Layer w8: LED2.A@-2012.12,-60 v1(-1990,-60) ; LED1.A@-2011.85,0 v1(-1991.06,0) ; v1(-1380,270) R10.2@-1380,293.19 ; R46.2@-955,1736.81 -926.81,1736.81 v1(-925,1735) ; FB4.5@-833.5,377.24 -807.76,377.24 -807.3,377.7 -802.3,377.7 v1(-800,380) ; v1(-829.77,1774.77) -827.04,1774.77 R52.2@-796.81,1805 R53.2@-796.81,1840 ; X1.4@-825.47,1663.62 -823.19,1665.91 C25.1@-823.19,1715 v1(-790,1715) ; C2.1@-820,-128.19 C4.1@-789.09,-128.19 ; C4.1@-785,-132.28 -785,-103.16 v1@-775,-93.16 ; v1(-771,-92.47) -771,-90.22 -776.54,-84.69 U1.22@-776.54,-58.03 U1.23@-759.61,-58.03 ; v1(-757.6,-12.4) -754.35,-12.4 -748.29,-18.46 U1.3@-727.13,-18.46 ; C3.1@-710,-108.19 -710,-95 -725.75,-79.25 U1.1@-725.75,-58.03 -690.66,-58.03 v1(-690.38,-58.32) v1@-689.28,-58.32 ; v1(-702,1740) -699.7,1737.7 -691.42,1737.7 -691.31,1737.6 -686.81,1737.6 ; U6.8@-687.09,1760.47 -686.81,1760.2 -686.81,1737.6 ; C32.1@-686.81,1715 -686.81,1737.6 ; R45.2@-543.19,1330 -543.19,1308.19 v1(-525,1290)
  Top Layer w10: R63.2@-1966.81,-455 -1995,-483.19 -1995,-635 -1975,-655 -1645,-655 -1390,-400 L3.2@-1289.8,-400 ; v1(-1620,55) -1620,57.71 -1615,62.71 C8.1@-1615,88.19 C7.1@-1575,88.19 -1581.65,81.54 MIC1.5@-1581.65,32.97 ; R4.2@-1435,-23.19 v1(-1435,0) ; v1(-1245,945) C77.1@-1245,973.19 ; C76.1@-1132.28,170 v1(-1095,170) ; C42.2@-1068.88,1252.88 -1066.83,1254.93 U5.B11@-1000.1,1254.93 ; v1(-488.19,848.19) C78.1@-488.19,880 ; v1(305,935) LED9.A@320,920
  Top Layer w15: R88.1@-378.91,1946.34 v1(-350,1946.34) v1(-300,1946.34) v1(-250,1946.34) v1(-200,1946.34)
  Bottom Layer w5: MIC2.5@-1298.35,32.97 MIC2.5@-1296.32,35 ; C10.1@-1253.81,68 C10.1@-1251.81,70
  Bottom Layer w8: v3(-1136.57,575.38) -1111.97,575.38 C66.1@-1110.98,576.36 ; v3(-1136.57,754.51) -1111.97,754.51 C70.1@-1110.98,753.53 ; v3(-1110.98,549.79) -1090.47,570.3 -1090.47,571.68 -1085.79,576.36 C71.1@-1072.6,576.36 ; v3(-1110.98,780.1) -1090.47,759.59 -1090.47,758.21 -1085.79,753.53 C73.1@-1072.6,753.53 ; v3(-1059.8,549.79) -1034.21,575.38 C68.1@-1034.21,576.36 ; C75.1@-1020.43,753.53 -1017.54,756.42 -1017.54,757.4 -1008.62,766.32 v3(-1008.62,780.1) ; C72.1@-983.03,576.36 -957.44,550.77 v3(-957.44,549.79) ; C74.1@-944.65,576.36 -943.66,575.38 v3(-906.26,575.38) ; C69.1@-944.65,676.76 -931.46,676.76 -926.77,681.44 -926.77,682.82 v3(-906.26,703.33) ; C67.1@-943.66,753.53 -940.77,756.42 -940.77,757.4 -931.85,766.32 v3(-931.85,780.1) ; v1(-915,1575) R50.1@-891.81,1575 ; R65.2@-410,1488.19 -410,1460.69 -409.3,1459.98 -409.3,1452.3 v1(-407,1450) ; v1(150,1485) R66.2@150,1508.19
  Bottom Layer w10: v1(-1800,415) -1772.28,415 -1758.19,429.09 R11.2@-1758.19,445 R12.2@-1758.19,495 ; R13.2@-1758.19,595 -1758.19,650.33 v1(-1716.04,692.48) ; MIC2.5@-1296.32,35 C9.1@-1251.81,35 C10.1@-1251.81,70 C10.1@-1254.02,72.2 ; v1(-1275,68) C10.1@-1253.81,68 ; R83.2@-1073.19,1530 R84.2@-1073.19,1495 -1073.19,1438.19 v1(-1070,1435)
  other v1: -1125,-580 -1125,-550 -1125,-520 -1125,-490 -1125,-345 -1125,-315 -1125,-285 -1125,-255 -1125,-110 -1125,-80 -1125,-50 -1125,-20 -1035,1255
3V3A: C13.1 C14.1 C50.1 C94.1 FB4.7 FB4.8 J3.1 LED8.A R35.2 R37.2 R39.2 R41.2 R43.2 R60.2 R75.2 R88.2 U3.4 U4.4 U8.1 | length 7069.7
  Top Layer w9: R35.2@-1597.64,-1180.08 -1597.64,-1165.61 -1595,-1162.98 v1(-1595,-1160) ; v1(-1595,-1325) R39.2@-1595,-1301.81 ; C13.1@-1555.83,-1241.89 v1(-1530,-1241.89) U3.4@-1488.86,-1241.89 ; v1(-1160,-1325) R41.2@-1160,-1291.81 ; R43.2@-1160,-1188.19 v1(-1160,-1160) ; FB4.8@-833.5,282.76 -833.5,286.5 FB4.7@-833.5,314.25 ; R75.2@27.6,2064.76 v1(54.76,2064.76) ; C14.1@141.83,2072.67 142.95,2071.55 U4.4@142.95,2023.62 143.44,2023.13 143.44,1975.49 v1(143.93,1975) ; v1(260,890) LED8.A@275,875 ; C50.1@403.63,1996 403.42,1995.79 403.42,1993.03 403.42,1973.39 C94.1@405.81,1971 405.39,1970.58 405.39,1969.42 405.39,1945.42 R60.2@405.81,1945